# Allegro board 1151864-PCIE3_0_X16-166-20240802_20240815_2000_pcb.brd (continued)
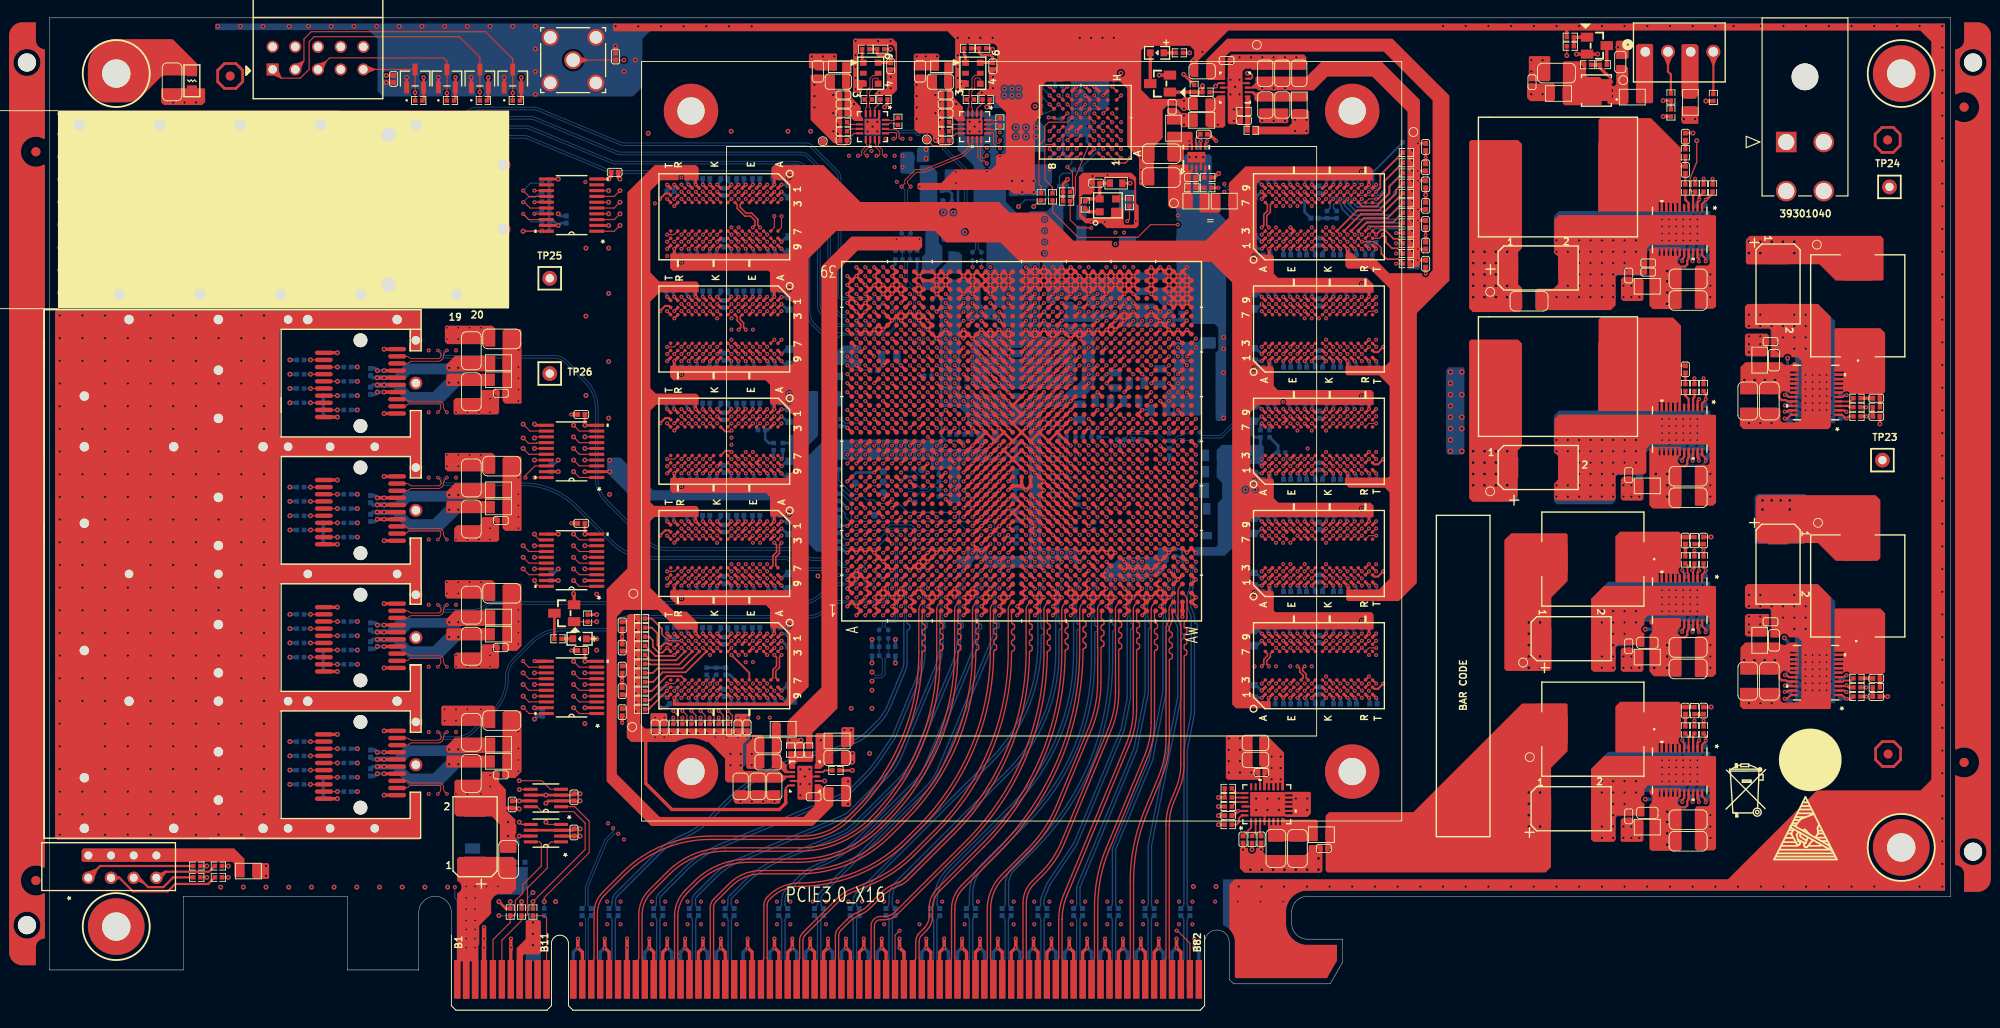
[diagram p0: board, top side]
## Routing (per net, layer and track width the routed paths; a pad name or vN(x,y) marks a point on that pad's centre or on a via; arc(x,y) is an arc through that point) (continued)
GND_ADC: length 8.4
  TOP w0.381: U1.Y16 U1.Y15 ; U1.Y15 U1.W15 v1(107.32,58.23) ; U1.Y15 v1(109.32,58.23) U1.AA15 U1.AA16
  BOTTOM w0.305: L2.2 C2.2 107.5,58.41 v1(107.32,58.23)
  BOTTOM w0.381: v1(109.32,58.23) 109.14,58.41 C2.2
VCC1V2: length 53.5
  TOP w0.305: R286.2 v1(185.14,70.78)
  ART03 w0.381: v1(185.14,70.78) 185.14,71.72 178.72,78.13 159.91,78.13 159.46,77.67 159.46,62.71 v3(159.35,62.6)
  ART03 w0.508: v1(125.32,65.23) v1(125.32,61.23)
  BOTTOM w0.305: v1(125.32,61.23) 125.33,61.24 R63.2 ; R38.2 94.68,86.24 v1(94.8,86.36) ; v1(97.39,86.36) 97.13,86.1 R39.2 ; v1(125.32,65.23) 125.33,65.21 R62.2
  vias: v2(139.43,99.75) v2(139.43,98.48) v2(140.7,99.75) v2(140.7,98.48) v3(159.35,61.33) v3(159.35,60.06) v3(159.35,58.79) v3(160.62,62.6) v3(160.62,61.33) v3(160.62,60.06) v3(160.62,58.79) v3(161.89,62.6) v3(161.89,61.33) v3(161.89,60.06) v3(161.89,58.79) v3(163.16,62.6) v3(163.16,58.79)
VCC1V2_VCCO: length 258.7
  TOP w0.305: U11.F2 v1(139.69,35.78) ; U8.A1 v1(81.95,67.33) ; U6.T9 v1(69.15,47.56) ; U4.J1 v1(74.75,79.9) ; U7.A9 v1(81.95,34.98) ; U11.J8 v1(142.89,41.38) ; U7.J9 v1(74.75,34.98) ; U5.A9 v1(81.95,85.27) ; U13.R1 v1(147.69,60.13) ; U10.F2 v1(139.69,73.5) ; U9.C1 v1(137.29,85.27) ; U1.AL14 v1(120.32,57.23) ; U12.R1 v1(147.69,47.56) ; U10.J2 v1(142.89,73.5) ; U8.R1 v1(69.95,67.33) ; U12.G9 v1(140.49,54.76) ; U13.D1 v1(138.09,60.13) ; U6.L9 v1(73.15,47.56) ; U8.F8 v1(77.95,60.93) ; U1.J22 v1(97.32,65.23) ; U10.T9 v1(148.49,79.9) ; U6.C1 v1(80.35,54.76) ; U13.G7 v1(140.49,65.73) ; U10.L1 v1(144.49,72.7) ; U6.R1 v1(69.95,54.76) ; U12.D9 v1(138.09,54.76) ; U9.J2 v1(142.89,86.07) ; U4.L1 v1(73.15,79.9) ; U12.L9 v1(144.49,54.76) ; U7.C1 v1(80.35,42.18) ; U6.A9 v1(81.95,47.56) ; U10.R1 v1(147.69,72.7) ; U7.F8 v1(77.95,35.78) ; U9.J1 v1(142.89,85.27) ; U11.L1 v1(144.49,34.98) ; U8.D1 v1(79.55,67.33) ; U5.F8 v1(77.95,86.07) ; U1.AG16 v1(116.32,59.23) ; U9.D9 v1(138.09,92.47) ; U1.N30 v1(102.32,74.23) ; U5.R1 v1(69.95,92.47) ; U10.G1 v1(140.49,72.7) ; U6.J9 v1(74.75,47.56) ; U10.F8 v1(139.69,79.1) ; U11.G1 v1(140.49,34.98) ; U4.D1 v1(79.55,79.9) ; U10.L9 v1(144.49,79.9) ; U9.F8 v1(139.69,91.67) ; U7.D1 v1(79.55,42.18) ; U7.G1 v1(77.15,42.18) ; U9.G9 v1(140.49,92.47) ; U6.G7 v1(77.15,49.16) ; U12.F8 v1(139.69,53.96) ; U6.B3 v1(81.15,53.16) ; U13.B9 v1(136.49,67.33) ; U1.AT19 v1(124.32,63.23) ; U7.L1 v1(73.15,42.18) ; U4.A1 v1(81.95,79.9) ; U12.J9 v1(142.89,54.76) ; U1.E24 v1(93.32,68.23) ; U9.A1 v1(135.69,85.27) ; U5.J2 v1(74.75,91.67) ; U1.AU16 v1(126.32,59.23) ; U11.A1 v1(135.69,34.98) ; U5.D1 v1(79.55,92.47) ; U8.G1 v1(77.15,67.33) ; U11.B9 v1(136.49,42.18) ; U11.J2 v1(142.89,35.78) ; v1(77.15,74.3) U4.G7 ; U11.G9 v1(140.49,42.18) ; U7.T9 v1(69.15,34.98) ; U11.D1 v1(138.09,34.98) U11.C1 ; U4.F8 v1(77.95,73.5) ; U7.J1 v1(74.75,42.18) ; U9.J8 v1(142.89,91.67) ; U5.D9 v1(79.55,85.27) ; U9.B9 v1(136.49,92.47) ; U10.A9 v1(135.69,79.9) ; U8.A9 v1(81.95,60.13) ; U6.G1 v1(77.15,54.76) ; U1.H25 v1(96.32,69.23) ; U1.AM21 v1(121.32,65.23) ; U10.D9 v1(138.09,79.9) ; U7.G9 v1(77.15,34.98) ; U1.AJ10 v1(118.32,53.23) ; v1(77.15,61.73) U8.G7 ; U1.G28 v1(95.32,72.23) ; U12.D1 v1(138.09,47.56) ; U8.L1 v1(73.15,67.33) ; U13.G1 v1(140.49,60.13) ; U6.D1 v1(79.55,54.76) ; U1.K19 v1(99.32,62.23) ; U11.B3 v1(136.49,36.58) ; U1.AR12 v1(124.32,55.23) ; U4.G1 v1(77.15,79.9) ; U1.N20 v1(102.32,63.23) ; U5.L9 v1(73.15,85.27) ; U10.G9 v1(140.49,79.9) ; U12.A1 v1(135.69,47.56) ; U1.L26 v1(99.32,70.23) ; U12.B3 v1(136.49,49.16) ; U13.F8 v1(139.69,66.53) ; U10.J9 v1(142.89,79.9) ; U13.L9 v1(144.49,67.33) ; U5.F2 v1(77.95,91.67) ; U8.D9 v1(79.55,60.13) ; U6.L1 v1(73.15,54.76) ; U13.D9 v1(138.09,67.33) ; U4.B9 v1(81.15,72.7) ; v1(77.15,60.13) U8.G9 ; U11.T9 v1(148.49,42.18) ; U8.J1 v1(74.75,67.33) ; U5.G1 v1(77.15,92.47) ; U6.F8 v1(77.95,48.36) ; U4.B3 v1(81.15,78.3) ; U4.F2 v1(77.95,79.1) ; U8.T9 v1(69.15,60.13) ; U6.J2 v1(74.75,53.96) ; U11.L9 v1(144.49,42.18) ; U1.K29 v1(98.32,73.23) ; U10.C1 v1(137.29,72.7) ; U8.L9 v1(73.15,60.13) ; U7.J8 v1(74.75,35.78) ; U5.B3 v1(81.15,90.87) ; U7.L9 v1(73.15,34.98) ; U9.G7 v1(140.49,90.87) ; U6.J8 v1(74.75,48.36) ; U13.F2 v1(139.69,60.93) ; U1.J32 v1(97.32,76.23) ; U1.AP15 v1(123.32,58.23) ; U4.J8 v1(74.75,73.5) ; U13.J8 v1(142.89,66.53) ; v1(77.15,72.7) U4.G9 ; U1.AJ20 v1(118.32,63.23) ; U11.A9 v1(135.69,42.18) ; U1.P27 v1(102.32,71.23) ; U11.J9 v1(142.89,42.18) ; U11.D9 v1(138.09,42.18) ; U13.T9 v1(148.49,67.33) ; U5.J8 v1(74.75,86.07) ; U12.G1 v1(140.49,47.56) ; U6.G9 v1(77.15,47.56) ; U9.J9 v1(142.89,92.47) ; U13.A1 v1(135.69,60.13) ; U10.G7 v1(140.49,78.3) ; U1.AM11 v1(121.32,54.23) ; U12.J8 v1(142.89,53.96) ; U11.R1 v1(147.69,34.98) ; U12.B9 v1(136.49,54.76) ; U5.T9 v1(69.15,85.27) ; U6.B9 v1(81.15,47.56) ; U1.AN18 v1(122.32,61.23) ; U5.A1 v1(81.95,92.47) ; U9.G1 v1(140.49,85.27) ; U11.G7 v1(140.49,40.58) ; U12.G7 v1(140.49,53.16) ; U13.G9 v1(140.49,67.33) ; U9.L1 v1(144.49,85.27) ; U4.D9 v1(79.55,72.7) ; U4.C1 v1(80.35,79.9) ; U6.A1 v1(81.95,54.76) ; U11.J1 v1(142.89,34.98) ; U7.B3 v1(81.15,40.58) ; U8.B3 v1(81.15,65.73) ; U4.J2 v1(74.75,79.1) ; U5.G9 v1(77.15,85.27) ; U1.M23 v1(100.32,67.23) ; U10.A1 v1(135.69,72.7) ; U7.J2 v1(74.75,41.38) ; U6.J1 v1(74.75,54.76) ; U10.D1 v1(138.09,72.7) ; U6.F2 v1(77.95,53.96) ; U1.A26 v1(89.32,70.23) ; U12.A9 v1(135.69,54.76) ; U1.AH13 v1(117.32,56.23) ; U5.L1 v1(73.15,92.47) ; U12.J2 v1(142.89,48.36) ; U7.F2 v1(77.95,41.38) ; U12.F2 v1(139.69,48.36) ; U4.T9 v1(69.15,72.7) ; U13.L1 v1(144.49,60.13) ; U12.L1 v1(144.49,47.56) ; U9.R1 v1(147.69,85.27) ; U6.D9 v1(79.55,47.56) ; U1.F31 v1(94.32,75.23) ; U1.C20 v1(91.32,63.23) ; U7.A1 v1(81.95,42.18) ; U1.AW10 v1(128.32,53.23) ; U9.B3 v1(136.49,86.87) ; U9.D1 v1(138.09,85.27) ; U5.J1 v1(74.75,92.47) ; U1.AT9 v1(125.32,52.23) ; U7.D9 v1(79.55,34.98) ; U13.C1 v1(137.29,60.13) ; U5.G7 v1(77.15,86.87) ; U1.AF19 v1(115.32,62.23) ; U12.J1 v1(142.89,47.56) ; U4.R1 v1(69.95,79.9) ; U1.D27 v1(92.32,70.23) ; U13.J2 v1(142.89,60.93) ; U9.A9 v1(135.69,92.47) ; U1.AN8 v1(122.32,51.23) ; U10.B9 v1(136.49,79.9) ; U8.J9 v1(74.75,60.13) ; U13.J9 v1(142.89,67.33) ; U10.B3 v1(136.49,74.3) ; U1.C30 v1(92.32,73.23) ; U10.J1 v1(142.89,72.7) ; U8.J8 v1(74.75,60.93) ; U9.F2 v1(139.69,86.07) ; U4.J9 v1(74.75,72.7) ; U7.B9 v1(81.15,34.98) ; U7.R1 v1(69.95,42.18) ; U1.AK17 v1(119.32,60.23) ; U8.C1 v1(80.35,67.33) ; U4.A9 v1(81.95,72.7) ; U5.J9 v1(74.75,85.27) ; U13.B3 v1(136.49,61.73) ; U7.G7 v1(77.15,36.58) ; U11.F8 v1(139.69,41.38) ; U12.T9 v1(148.49,54.76) ; U1.G18 v1(95.32,61.23) ; U1.AV13 v1(126.32,57.23) ; U12.C1 v1(137.29,47.56) ; U9.T9 v1(148.49,92.47) ; U10.J8 v1(142.89,79.1) ; U8.J2 v1(74.75,66.53) ; U1.AF9 v1(115.32,52.23) ; U1.B23 v1(90.32,67.23) ; U9.L9 v1(144.49,92.47) ; U4.L9 v1(73.15,72.7) ; U1.AW20 v1(128.32,63.23) ; U5.C1 v1(80.35,92.47) ; U8.F2 v1(77.95,66.53) ; U1.F21 v1(94.32,65.23) ; U8.B9 v1(81.15,60.13) ; U13.A9 v1(135.69,67.33) ; U13.J1 v1(142.89,60.13) ; U5.B9 v1(81.15,85.27)
  BOTTOM w0.254: v1(102.32,63.23) 102.32,63.59 102.13,63.78 100.36,63.78 99.85,64.29 99.85,66.76 v1(100.32,67.23)
  BOTTOM w0.305: C198.1 142.49,84.87 v1(142.89,85.27) ; C108.1 74.68,34.92 v1(74.75,34.98) ; v1(142.89,41.38) 142.68,41.17 C264.1 ; v1(140.49,92.47) 140.55,92.53 C192.1 ; v1(74.75,79.9) 75.15,80.3 C152.1 ; C149.1 74.68,72.64 v1(74.75,72.7) ; v1(77.15,47.56) 77.09,47.5 C115.1 ; C116.1 74.68,47.49 v1(74.75,47.56) ; v1(142.89,54.76) 142.96,54.82 C237.1 ; C220.1 142.49,59.73 v1(142.89,60.13) ; C179.1 77.09,85.22 v1(77.15,85.27) ; C193.1 136.36,92.61 v1(136.49,92.47) ; C230.1 135.35,55.1 v1(135.69,54.76) ; C177.1 69.93,92.46 v1(69.95,92.47) ; C130.1 81.98,67.3 v1(81.95,67.33) ; v1(138.09,60.13) 138.13,60.09 C227.1 ; C238.1 142.81,53.87 v1(142.89,53.96) ; v1(81.15,60.13) 81.28,59.99 C140.1 ; v1(142.89,91.67) 142.75,91.53 C191.1 ; v1(147.69,72.7) 147.79,72.61 C205.1 ; C235.1 142.49,48.76 v1(142.89,48.36) ; v1(77.15,42.18) 76.93,42.4 C101.1 ; C231.1 135.66,47.59 v1(135.69,47.56) ; C202.1 142.49,72.3 v1(142.89,72.7) ; C117.1 79.51,54.79 v1(79.55,54.76) ; v1(138.09,85.27) 138.13,85.24 C197.1 ; C265.1 147.79,34.89 v1(147.69,34.98) ; v1(74.75,86.07) 74.96,86.29 C172.1 ; C233.1 144.52,47.53 v1(144.49,47.56) ; C122.1 73.12,54.78 v1(73.15,54.76) ; v1(69.95,67.33) 69.85,67.42 C131.1 ; v1(73.15,79.9) 73.12,79.93 C145.1 ; v1(81.95,42.18) 81.98,42.15 C100.1 ; C138.1 75.15,66.12 v1(74.75,66.53) ; C133.1 76.93,67.55 v1(77.15,67.33) ; C154.1 76.17,37.56 v1(77.15,36.58) ; C175.1 79.51,92.51 v1(79.55,92.47) ; C135.1 74.83,61.01 v1(74.75,60.93) ; C207.1 144.52,72.67 v1(144.49,72.7) ; v1(74.75,41.38) 75.15,40.98 C121.1 ; v1(81.95,54.76) 81.98,54.73 C112.1 ; v1(147.69,47.56) 147.79,47.46 C239.1 ; C203.1 142.49,73.91 v1(142.89,73.5) ; C236.1 140.55,54.81 v1(140.49,54.76) ; v1(140.49,60.13) 140.71,59.91 C222.1 ; C143.1 79.51,79.94 v1(79.55,79.9) ; C261.1 136.36,42.32 v1(136.49,42.18) ; v1(73.15,92.47) 73.12,92.5 C176.1 ; v1(142.89,92.47) 142.96,92.54 C199.1 ; v1(74.75,60.13) 74.68,60.06 C134.1 ; v1(81.95,85.27) 82.29,84.93 C170.1 ; v1(135.69,34.98) 135.66,35.01 C260.1 ; v1(142.89,60.93) 142.49,61.33 C223.1 ; v1(77.15,92.47) 76.93,92.69 C173.1 ; v1(140.49,72.7) 140.71,72.48 C208.1 ; v1(79.55,67.33) 79.51,67.37 C136.1 ; v1(77.15,72.7) 77.09,72.65 C148.1 ; v1(147.69,85.27) 147.66,85.31 C194.1 ; v1(74.75,35.78) 74.89,35.92 C106.1 ; C178.1 81.28,85.14 v1(81.15,85.27) ; C114.1 69.85,54.85 v1(69.95,54.76) ; C189.1 135.66,85.3 v1(135.69,85.27) ; v1(69.95,79.9) 69.85,79.99 C151.1 ; C232.1 142.49,47.15 v1(142.89,47.56) ; v1(81.95,92.47) 81.98,92.44 C171.1 ; C234.1 136.36,54.89 v1(136.49,54.76) ; C190.1 144.52,85.25 v1(144.49,85.27) ; C228.1 147.79,60.04 v1(147.69,60.13) ; C141.1 82.29,72.35 v1(81.95,72.7) ; C204.1 142.96,79.97 v1(142.89,79.9) ; C241.1 138.13,47.52 v1(138.09,47.56) ; C139.1 77.09,60.08 v1(77.15,60.13) ; v1(77.15,34.98) 77.09,34.93 C104.1 ; v1(140.49,85.27) 140.71,85.06 C196.1 ; v1(69.15,34.98) 68.92,35.21 R81.1 ; v1(135.69,42.18) 135.35,42.53 C259.1 ; C240.1 140.71,47.34 v1(140.49,47.56) ; v1(135.69,67.33) 135.35,67.68 C218.1 ; C99.1 82.29,34.63 v1(81.95,34.98) ; v1(136.49,61.73) 137.23,62.46 R136.2 137.52,63.23 R139.1 ; C200.1 135.35,80.25 v1(135.69,79.9) ; C209.1 136.36,80.04 v1(136.49,79.9) ; C270.1 142.49,36.19 v1(142.89,35.78) ; v1(74.75,53.96) 75.15,53.55 C118.1 ; C201.1 135.66,72.73 v1(135.69,72.7) ; v1(142.89,42.18) 142.96,42.25 C263.1 ; v1(138.09,72.7) 138.13,72.66 C206.1 ; v1(142.89,34.98) 142.49,34.58 C267.1 ; v1(73.15,42.18) 73.12,42.21 C105.1 ; v1(74.75,42.18) 75.15,42.59 C102.1 ; v1(74.75,73.5) 74.83,73.59 C146.1 ; v1(74.75,85.27) 74.68,85.21 C181.1 ; C219.1 135.66,60.16 v1(135.69,60.13) ; v1(140.49,34.98) 140.71,34.77 C266.1 ; v1(142.89,67.33) 142.96,67.39 C221.1 ; v1(77.15,79.9) 76.93,80.12 C144.1 ; C225.1 140.55,67.38 v1(140.49,67.33) ; v1(74.75,91.67) 75.15,91.27 C180.1 ; v1(140.49,79.9) 140.55,79.95 C210.1 ; v1(81.95,47.56) 82.29,47.21 C111.1 ; C150.1 75.15,78.7 v1(74.75,79.1) ; C119.1 76.93,54.97 v1(77.15,54.76) ; v1(140.49,42.18) 140.55,42.24 C269.1 ; C268.1 144.52,34.95 v1(144.49,34.98) ; C224.1 136.36,67.47 v1(136.49,67.33) ; C109.1 v1(69.95,42.18) ; v1(135.69,92.47) 135.35,92.82 C188.1 ; C243.1 140.49,89.41 v1(140.49,90.87) ; C107.1 74.95,48.56 v1(74.75,48.36) ; R97.1 80.53,63.53 80.12,63.94 R94.2 80.41,65 v1(81.15,65.73) ; C142.1 81.98,79.87 v1(81.95,79.9) ; C113.1 75.15,55.16 v1(74.75,54.76) ; v1(74.75,92.47) 75.15,92.88 C174.1 ; v1(81.15,47.56) 81.28,47.42 C120.1 ; C129.1 82.29,59.78 v1(81.95,60.13) ; v1(138.09,34.98) 138.13,34.94 C262.1 ; v1(74.75,67.33) 75.15,67.73 C132.1 ; C195.1 142.49,86.48 v1(142.89,86.07) ; C147.1 81.28,72.56 v1(81.15,72.7) ; v1(142.89,79.1) 142.68,78.89 C211.1 ; v1(142.89,66.53) 142.68,66.32 C226.1 ; v1(73.15,67.33) 73.12,67.36 C137.1 ; R128.1 144.51,92.49 v1(144.49,92.47) ; C103.1 81.28,34.84 v1(81.15,34.98) ; C229.1 144.52,60.1 v1(144.49,60.13) ; C110.1 79.51,42.22 v1(79.55,42.18)
  BOTTOM w0.381: C65.1 94.85,72.69 v1(95.32,72.23)
  vias: v3(156.81,71.49) v3(156.81,70.22) v3(156.81,68.95) v3(156.81,67.68) v3(156.81,66.41) v3(156.81,65.14) v3(156.81,63.87) v3(156.81,62.6) v3(158.08,71.49) v3(158.08,68.95) v3(158.08,66.41) v3(158.08,65.14) v3(158.08,62.6)
VCC1V5_MGT: length 34.1
  TOP w0.305: R255.2 v1(185.14,32.43)
  ART03 w0.254: v1(185.14,32.43) 184.05,33.51 181.55,33.51 178.01,37.06 166.69,37.06 165.58,35.94 v3(165.58,24.38)
  vias: v3(165.58,23.11) v3(165.58,21.84) v3(165.58,20.57) v3(166.85,24.38) v3(166.85,20.57)
VCC1V5_MGT_PG: length 1.8
  TOP w0.254: R248.2 183.97,30.84 U27.3
VCC1V8: length 126.4
  TOP w0.305: L3.2 v2(120.97,92.63) ; R9.1 52.82,102.05 D3.2 v2(52.82,104.48) ; v2(62.71,60.32) U15.2 v2(59.94,60.32) ; C305.1 v2(59.94,65.52) U15.10 ; U18.6 U18.3 58.57,20.15 C329.1 v2(59.4,20.3) ; R10.1 49.14,102.05 D4.2 v2(49.14,104.48) ; U16.2 v2(59.94,48.13) ; v2(41.9,104.48) D1.2 41.9,102.05 R7.1 ; C3.1 v2(37.71,104.71) ; R276.1 130.41,93.27 v2(130.87,93.73) ; U16.10 v2(59.94,53.33) C307.1 ; R292.1 126.96,104.82 v2(126.96,104.83) ; R8.1 45.45,102.05 D2.2 v2(45.45,104.48) ; U14.2 v2(62.6,87.9) ; U14.10 v2(62.6,93.1) ; v2(59.4,24.24) C341.1 58.57,24.09 U19.3 v2(55.58,24.09) U19.6 ; R3.1 v2(61.26,44.31) ; U17.10 v2(59.94,39.08) C309.1 ; R234.2 v1(185.14,51.48) ; v2(113.96,93.07) 113.45,92.56 R27.1 R24.1 ; U17.2 v2(59.94,33.88)
  TOP w0.381: C303.1 62.88,93.38 v2(62.6,93.1) ; R297.2 v2(180.62,100.11)
  ART03 w0.381: v1(185.14,51.48) 185.14,52.79 181.68,56.24 166.5,56.24 165.58,55.32 v3(165.58,43.43)
  ART10 w0.305: v2(92.07,33.81) 91.24,34.64 91.24,40.69 v2(92.07,41.53) v2(94.69,41.53)
  ART12 w0.305: v2(130.87,93.73) 124.66,93.73 123.04,92.1 121.5,92.1 v2(120.97,92.63) 120.81,92.48 114.54,92.48 v2(113.96,93.07)
  BOTTOM w0.305: R54.2 99.9,57.52 100.11,57.73 100.89,57.73 ; R2.1 113.85,92.96 v2(113.96,93.07) ; 86.33,51.7 R14.1 ; 99.55,60.63 R53.2 ; R11.1 86.5,54.27 ; L1.1 C1.1 107.88,62.81 106.8,61.73 104.43,61.73 ; R17.1 86.5,55.25 ; R1.1 86.5,60.6 ; R18.1 86.55,57.03 ; R26.1 112.55,104.02
  BOTTOM w0.381: R45.2 v2(94.69,41.53) ; R46.2 v2(92.07,41.53)
  vias: v2(62.71,61.59) v2(106.89,103.23) v2(106.89,102.46) v2(107.73,103.23) v2(107.73,102.46) v2(108.49,103.23) v2(108.49,102.46) v3(165.58,42.16) v3(165.58,40.89) v3(165.58,39.62) v3(165.58,38.35) v3(166.85,43.43) v3(166.85,39.62) v3(166.85,38.35)
VCC1V8_AUX: length 40.3
  TOP w0.305: v1(111.32,75.23) U1.AB31 v1(110.32,74.23) U1.AA30 v1(109.32,73.23) U1.Y29 ; v1(104.32,75.23) U1.T31 v1(105.32,74.23) U1.U30 v1(106.32,73.23) U1.V29 v1(107.32,72.23) U1.W28 ; U1.W26 v1(107.32,70.23) U1.V27 v1(106.32,71.23) U1.U28 v1(105.32,72.23) U1.T29 v1(104.32,73.23) U1.R30 v1(103.32,74.23) U1.P31 ; v1(106.32,75.23) U1.V31 v1(107.32,74.23) U1.W30 ; U1.AA26 v1(110.32,70.23) U1.AB27 v1(111.32,71.23) U1.AC28 v1(112.32,72.23) U1.AD29 v1(113.32,73.23) U1.AE30 v1(114.32,74.23) U1.AF31 ; U1.Y31 v1(109.32,75.23) ; v1(113.32,75.23) U1.AD31 v1(112.32,74.23) U1.AC30 v1(111.32,73.23) U1.AB29 v1(110.32,72.23) U1.AA28 v1(109.32,71.23) U1.Y27 ; v1(103.32,72.23) U1.R28 v1(104.32,71.23) U1.T27 v1(105.32,70.23) U1.U26 ; U1.R26 v1(103.32,70.23) ; v1(114.32,72.23) U1.AE28 v1(113.32,71.23) U1.AD27 v1(112.32,70.23) U1.AC26 ; U1.AE26 v1(114.32,70.23)
VCC1V8_PG: length 89.1
  TOP w0.254: v1(201.14,67.01) 201.07,67.01 200.9,67.18 U29.2 ; U25.3 183.97,49.18 v1(183.88,49.27) 184.12,49.51 R228.2 ; v1(201.14,35.63) 201.07,35.63 200.9,35.8 U26.2 ; v1(184.64,68.45) 184.64,68.38 184.47,68.21 U32.2
  ART03 w0.254: v1(184.64,68.45) 184.64,68.22 186.99,65.86 186.99,51.82 186.03,50.85 184.61,50.85 183.88,50.12 v1(183.88,49.27)
  ART03 w0.305: 188.26,46.41 188.26,49.28 189.87,50.88 189.87,62.41 191.97,64.52 198.27,64.52 200.77,67.01 v1(201.14,67.01) ; 188.26,46.41 186.18,48.49 184.18,48.49 183.88,48.79 v1(183.88,49.27) ; 188.26,46.41 188.26,34.42 189.43,33.25 197.99,33.25 200.37,35.63 v1(201.14,35.63)
VCC1V8_VCCO: length 30.7
  TOP w0.305: U1.G8 v1(95.32,51.23) ; U1.H15 v1(96.32,59.23) ; U1.AT29 v1(125.32,73.23) ; U1.AV23 v1(126.32,67.23) ; U1.AP25 v1(123.32,69.23) ; U1.E14 v1(93.32,57.23) ; U1.AJ30 v1(118.32,74.23) ; U1.D17 v1(92.32,60.23) ; U1.AG26 v1(116.32,70.23) ; U1.B13 v1(91.32,56.23) ; U1.AR22 v1(123.32,66.23) ; U1.AM31 v1(121.32,75.23) ; U1.AF29 v1(115.32,73.23) ; U1.K9 v1(98.32,52.23) ; U1.W9 v1(107.32,52.23) ; U1.J12 v1(97.32,55.23) ; U1.AL24 v1(119.32,67.23) ; U1.M13 v1(100.32,57.23) ; U1.F11 v1(95.32,55.23) ; U1.AW30 v1(127.32,73.23) ; U1.AU26 v1(125.32,70.23) ; U1.AR32 v1(124.32,76.23) ; U1.N10 v1(101.32,53.23) ; U1.L16 v1(100.32,60.23) ; U1.C10 v1(91.32,53.23) ; U1.AA9 v1(110.32,52.23) ; U1.AH23 v1(117.32,67.23) ; U1.AK27 v1(118.32,70.23) ; U1.AN28 v1(122.32,71.23) ; U1.A16 v1(89.32,59.23)
  BOTTOM w0.305: C31.1 120.23,68.14 v1(119.32,67.23) ; C30.1 118.85,69.7 v1(118.32,70.23) ; C32.1 118.78,67.69 v1(118.32,67.23) ; v1(92.32,60.23) 90.32,60.23 v1(89.32,59.23) ; v1(125.32,71.23) 124.72,71.83 C33.1 ; C34.1 122.57,70.98 v1(122.32,71.23)
  vias: v2(108.16,98.88) v2(108.16,97.87) v2(109.31,98.88) v2(109.31,97.87) v2(110.45,98.88) v2(110.45,97.87)
VCC2V5_DDR4: length 41
  TOP w0.305: 81.15,93.34 v1(81.15,92.47) U5.B1 ; U11.B1 v1(136.49,34.98) 136.46,34.95 136.46,34.32 ; 147.69,43.11 v1(147.69,42.18) U11.R9 ; 69.95,46.92 v1(69.95,47.56) U6.R9 ; 69.95,34.3 v1(69.95,34.98) U7.R9 ; 69.95,72.01 v1(69.95,72.7) U4.R9 ; U9.B1 v1(136.49,85.27) 136.49,84.4 ; U5.R9 v1(69.95,85.27) 69.95,84.56 ; U12.B1 v1(136.49,47.56) 136.49,46.63 ; U6.B1 v1(81.15,54.76) 81.15,55.77 ; U7.B1 v1(81.15,42.18) 81.15,43.08 ; U8.B1 v1(81.15,67.33) 81.15,68.11 ; U10.B1 v1(136.49,72.7) 136.49,71.99 ; U13.B1 v1(136.49,60.13) 136.49,59.1 ; U12.R9 v1(147.69,54.76) 147.69,55.42 ; 81.15,80.68 v1(81.15,79.9) U4.B1 ; 147.69,80.56 v1(147.69,79.9) U10.R9 ; 147.69,93.26 v1(147.69,92.47) U9.R9 ; U8.R9 v1(69.95,60.13) 69.95,59.53 ; U13.R9 v1(147.69,67.33) 147.69,68.25
  BOTTOM w0.305: C125.1 69.94,60.13 v1(69.95,60.13) ; C245.1 147.7,42.19 v1(147.69,42.18) ; v1(147.69,67.33) 147.7,67.33 C215.1 ; v1(136.49,85.27) 136.65,85.12 C184.1 ; C185.1 147.7,92.48 v1(147.69,92.47) ; v1(147.69,79.9) 147.7,79.9 C187.1 ; v1(136.49,47.56) 136.65,47.4 C217.1 ; v1(69.95,85.27) 69.94,85.27 C156.1 ; v1(136.49,34.98) 136.41,34.9 C244.1 ; C98.1 69.94,47.55 v1(69.95,47.56) ; v1(81.15,42.18) 80.99,42.34 C95.1 ; v1(136.49,72.7) 136.65,72.55 C186.1 ; v1(81.15,92.47) 80.99,92.63 C155.1 ; C128.1 69.94,72.7 v1(69.95,72.7) ; C127.1 80.99,80.05 v1(81.15,79.9) ; C97.1 80.99,54.91 v1(81.15,54.76) ; v1(81.15,67.33) 80.99,67.48 C126.1 ; v1(136.49,60.13) 136.65,59.98 C214.1 ; v1(147.69,54.76) 147.7,54.76 C216.1
  BOTTOM w0.381: C96.1 70.24,34.69 v1(69.95,34.98)
VCC3V3: length 88.2
  TOP w0.203: v1(133.05,22.31) U28.27
  TOP w0.305: R270.2 v1(203.35,66.52) ; R200.1 51.09,11.39 v2(50.32,12.16) ; U15.19 v2(56.96,60.32) ; U17.19 v2(54.3,33.88) ; v1(133.05,22.31) 132.53,21.79 C412.2 ; C342.1 v2(52.6,23.44) U19.7 ; U16.19 v2(56.96,48.13) ; R260.1 v2(130.85,20.78) ; R199.1 v2(52.86,12.16) ; v2(105.57,107.62) 105.45,107.75 L26.2 ; v2(130.85,23.83) R258.1 R259.1 ; U14.19 v2(56.96,87.9) ; U18.7 v2(52.6,19.5) ; L24.2 v2(94.14,107.65)
  TOP w0.381: R261.1 v2(134.61,17.98) ; DS1.1 v2(61.26,41.6) ; R291.1 v2(127.62,107.24)
  ART03 w0.305: v3(195.3,86.08) 206.7,86.08 207.98,84.8 207.98,71.15 v1(203.35,66.52)
  BOTTOM w0.305: R158.1 R156.1 R157.1 R155.1 R154.1 ; R180.1 v2(34.48,43.54) ; v2(56.96,48.13) 56.95,48.12 C308.1 ; C310.1 54.46,33.72 v2(54.3,33.88) ; R154.1 R153.1 ; R154.1 56.55,88.32 v2(56.96,87.9) 57.22,88.16 C304.1 ; R186.1 v2(34.48,38.74) ; R182.1 v2(34.48,41.94) ; C330.1 52.39,19.29 v2(52.6,19.5) ; R184.1 v2(34.48,40.34) ; v2(56.96,60.32) 56.95,60.31 C306.1
  BOTTOM w0.381: R196.1 v2(34.48,24.49) ; R188.1 v2(26.93,39.54) ; R193.1 v2(26.93,26.89) ; R190.1 v2(34.48,29.29) ; R178.1 v2(26.93,53.79) ; R173.1 v2(26.93,55.39) ; R167.1 v2(26.93,69.64) ; R174.1 v2(34.48,54.59) ; R169.1 v2(26.93,68.04) ; R159.1 v2(26.93,72.84) ; R181.1 v2(26.93,42.74) ; R179.1 v2(26.93,44.34) ; R171.1 v2(34.48,57.79) ; R162.1 v2(34.48,67.24) ; R164.1 v2(34.48,56.19) ; R191.1 v2(26.93,28.49) ; R160.1 v2(34.48,72.04) ; R198.1 v2(26.93,25.29) ; R194.1 v2(34.48,26.09) ; R192.1 v2(34.48,27.69) ; R165.1 v2(26.93,71.24) ; R189.1 v2(26.93,30.09) ; R183.1 v2(26.93,41.14) ; R166.1 v2(34.48,70.44) ; R172.1 v2(26.93,56.99) ; R170.1 v2(26.93,58.59) ; R168.1 v2(34.48,68.84) ; R176.1 v2(34.48,52.99)
  vias: v1(36.17,94.07) v1(36.17,92.8) v1(36.17,89.29) v1(36.17,88.02) v1(36.17,86.75) v1(36.17,85.48) v1(36.17,84.21) v1(37.44,84.21) v1(52.5,73.95) v1(52.5,72.05) v1(52.5,70.78) v1(52.5,69.51) v1(52.5,68.24) v1(52.5,59.65) v1(52.5,57.8) v1(52.5,56.53) v1(52.5,55.26) v1(52.5,53.99) v1(52.5,44.82) v1(52.5,43.55) v1(52.5,42.28) v1(52.5,41.01) v1(52.5,31.2) v1(52.5,29.3) v1(52.5,28.03) v1(52.5,26.76) v1(95.49,95.71) v1(95.49,94.44) v2(24.26,16.17) v2(24.26,15.05) v2(85.33,106.83) v2(86.6,106.83) v2(87.87,106.83) v2(88.99,31.39) v2(89.75,31.39) v2(97.06,106.83) v2(98.08,106.83) v2(99.35,106.83) v2(126.99,100.2) v2(126.99,99.19) v3(190.22,86.08) v3(190.22,84.81) v3(191.49,86.08) v3(191.49,84.81) v3(192.76,86.08) v3(194.03,86.08) v3(195.3,84.81)
VCC3V3_PG: length 1.8
  TOP w0.254: R263.2 201.49,67.53 201.34,67.68 U29.3
VCC12V_FAN_EN: length 122.9
  TOP w0.127: U1.E16 v1(94.32,59.23) ; R302.2 v2(169.83,106.93)
  ART03 w0.086: v2(169.83,106.93) 169.48,107.29 150.52,107.29 149.12,108.69 127.03,108.69 126.19,107.85 110.34,107.85 106.17,103.68 106.17,99.87 105.82,99.52 105.82,68.05 105.51,67.74 98.17,67.74 97.87,67.44 97.87,61.06 96.55,59.74 94.96,59.74 94.44,59.23 v1(94.32,59.23)
VCC12V_FAN_FG: length 137.8
  TOP w0.254: R297.1 R298.2 v2(180.62,101.88)
  TOP w0.305: U1.F13 v1(94.32,56.23)
  ART03 w0.203: v1(94.32,56.23) 94.68,56.23 96.57,58.12 98.83,58.12 99.8,59.08 99.8,65.38 100.13,65.71 108.05,65.71 108.43,66.09 108.43,83.27 107.16,86.34 107.16,93.5 107.54,94.42 107.54,99.52 110.16,102.13 110.16,104.9 111.86,106.6 121.56,106.6 122.53,105.64 150.27,105.64 152.15,103.76 178.74,103.76 v2(180.62,101.88)
VCC12V_FAN_PWM: length 142.8
  TOP w0.305: U1.E13 v1(94.32,57.23)
  TOP w0.381: R300.2 v2(185.39,101.84)
  ART03 w0.203: v1(94.32,57.23) 95.05,57.23 96.55,58.72 98.6,58.72 98.81,58.93 98.81,66.47 99.06,66.73 107.62,66.73 107.9,67.01 107.9,82.92 106.58,86.11 106.58,93.68 107.04,94.78 107.04,100.15 109.42,102.54 109.42,104.95 111.71,107.24 126.54,107.24 127.46,108.15 148.54,108.15 152.32,104.37 182.86,104.37 v2(185.39,101.84)
VCC12V_IN: length 14.5
  TOP w0.305: R222.1 185.14,93.11 v1(185.16,93.13)
  ART10 w0.61: 192.99,98.65 J5.1 ; J5.1 195.79,98.65 ; J5.1 192.99,95.84 ; J5.1 195.79,95.84 ; 193.35,90.7 J5.3 ; J5.3 193.35,92.79 ; J5.3 195.43,90.7 ; J5.3 195.43,92.79
  vias: v1(46.66,13.86) v1(46.66,12.59) v1(46.66,11.32) v1(46.66,10.05) v1(46.66,9.03) v1(46.66,8.02) v1(46.66,7) v1(47.66,13.86) v1(47.66,12.59) v1(47.66,11.32) v1(47.66,10.05) v1(47.66,9.03) v1(47.66,8.02) v1(47.66,7) v1(48.93,13.86) v1(50.2,13.86) v2(165.86,102.61) v2(167.13,102.61) v2(176.17,81.15) v2(176.17,79.88) v2(176.17,58.79) v2(176.17,57.52) v2(176.17,39.62) v2(176.17,38.35) v2(176.17,20.57) v2(176.17,19.3) v2(177.06,81.15) v2(177.06,79.88) v2(177.06,58.79) v2(177.06,57.52) v2(177.06,39.62) v2(177.06,38.35) v2(177.06,20.57) v2(177.06,19.3) v2(177.95,79.88) v2(177.95,57.52) v2(177.95,38.35) v2(177.95,19.3) v2(190.22,75.48) v2(190.22,74.59) v2(190.22,73.71) v2(190.22,44.1) v2(190.22,43.21) v2(190.22,42.32) v2(191.49,75.48) v2(191.49,74.59) v2(191.49,44.1) v2(191.49,43.21)
BPI_FLASH_A_0: length 35.7
  TOP w0.127: U1.AK29 v1(119.32,73.23)
  TOP w0.155: v1(119.95,95.46) U2.A1
  ART10 w0.086: v1(119.95,95.46) 119.87,95.38 119.87,95.14 119.79,95.05 119.4,95.05 119.31,94.97 119.31,94.79 119.4,94.71 119.79,94.71 119.87,94.62 119.87,94.45 119.79,94.36 119.4,94.36 119.31,94.28 119.31,94.1 119.4,94.02 119.79,94.02 119.87,93.93 119.87,93.76 119.79,93.67 119.4,93.67 119.31,93.59 119.31,93.41 119.4,93.33 119.79,93.33 119.87,93.24 119.87,93.07 119.79,92.98 119.4,92.98 119.31,92.89 119.31,92.72 119.4,92.64 119.79,92.64 119.87,92.55 119.87,92.33 120.56,91.64 120.56,89.03 120.13,88.6 120.13,88.38 120.04,88.29 119.05,88.29 118.96,88.2 118.96,88.03 119.05,87.94 120.24,87.94 120.94,87.25 120.94,86.71 120.85,86.62 119.55,86.62 119.47,86.53 119.47,86.36 119.55,86.27 120.85,86.27 120.94,86.19 120.94,86.02 120.85,85.93 119.91,85.93 119.82,85.84 119.82,85.67 119.91,85.58 120.75,85.58 120.84,85.5 120.84,85.32 120.05,84.53 120.05,83.69 119.92,83.57 119.92,73.96 119.32,73.36 v1(119.32,73.23)
BPI_FLASH_A_1: length 35.6
  TOP w0.127: U1.AK30 v1(119.32,74.23)
  TOP w0.155: U2.B1 v1(119.95,96.46)
  ART10 w0.086: v1(119.95,96.46) 119.69,96.46 119.01,95.78 119.01,95.33 118.92,95.25 118.41,95.25 118.32,95.16 118.32,94.99 118.41,94.9 118.92,94.9 119.01,94.82 119.01,94.57 118.92,94.48 118.08,94.48 117.99,94.4 117.99,94.23 118.08,94.14 118.92,94.14 119.01,94.05 119.01,91.8 118.91,91.69 118.66,91.69 118.57,91.78 118.57,92.93 118.48,93.01 118.31,93.01 118.23,92.93 118.23,91.78 118.14,91.69 117.97,91.69 117.88,91.78 117.88,92.98 117.79,93.07 117.62,93.07 117.53,92.98 117.53,91.78 117.45,91.69 116.93,91.69 116.8,91.57 116.8,88.77 118.76,86.82 118.76,85.24 119.71,84.28 119.71,74.62 v1(119.32,74.23)